# Altium PCB mantarray_beta_drv425_Mounting_Holes.PcbDoc (part 2 of 5) (continued)
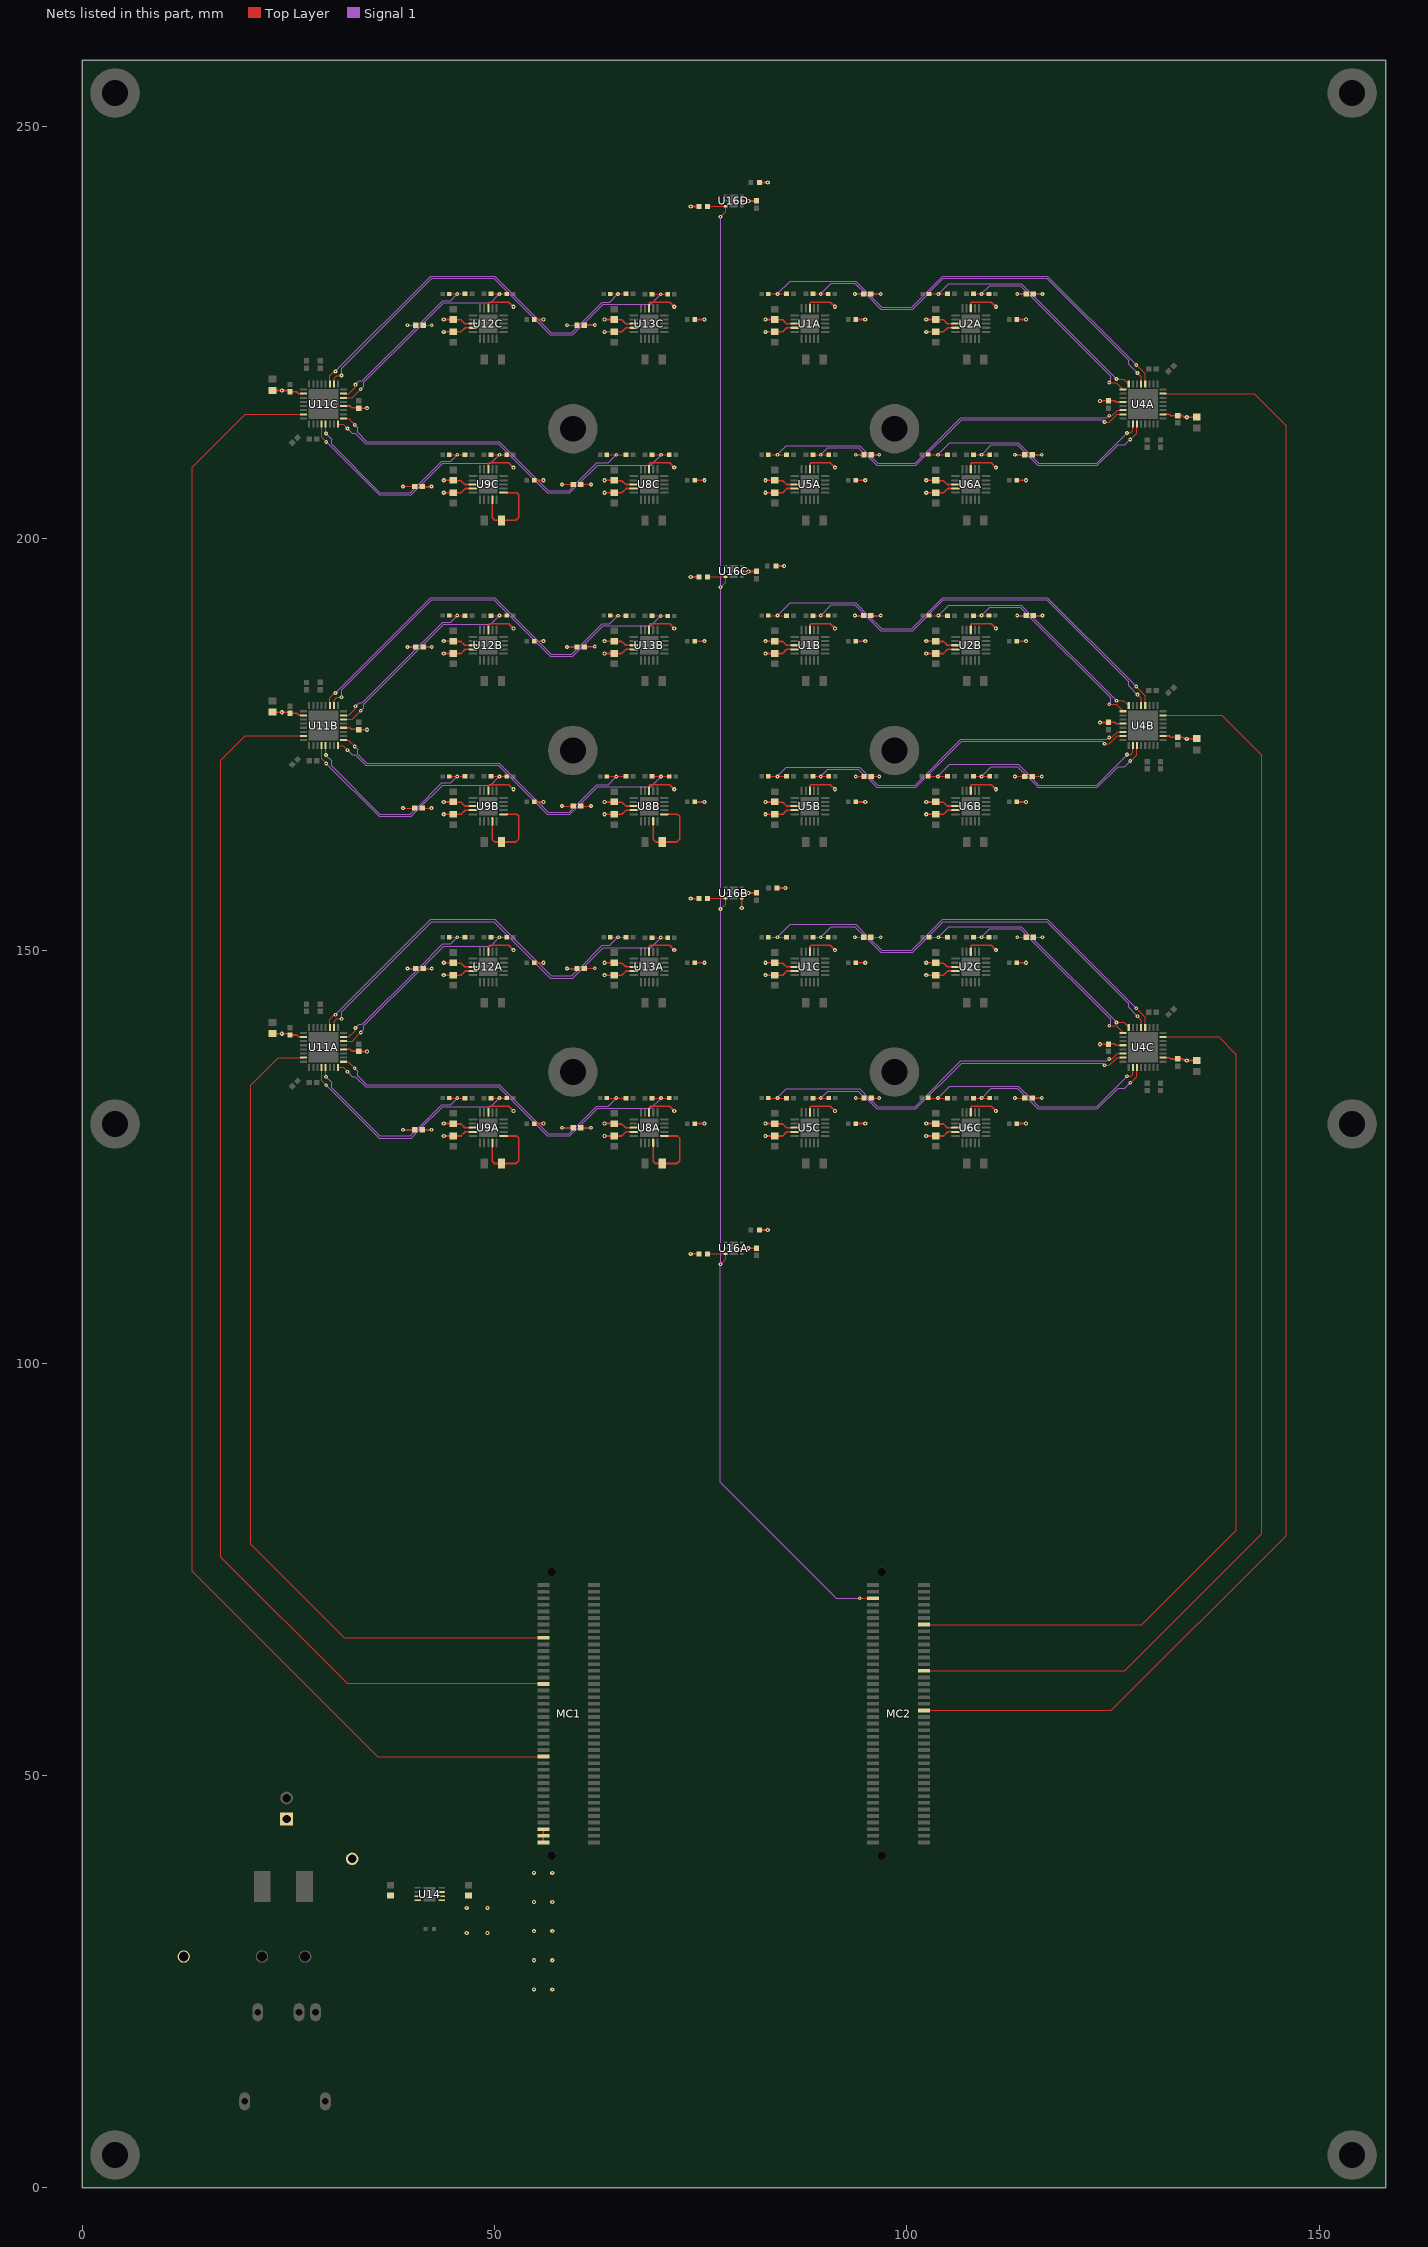
[diagram p8: the nets of this part, all layers, seen from the top]
## Nets (pads, with @x,y where several pads share a name; then routed paths per layer and width w, separated by ;. In a path a pad name is that pad's centre, name@x,y a point inside that pad or via, vN(x,y) a via of type N, cw(c..) or ccw(c..) an arc to the next point about the centre after c; other vN are vias at no path point) (continued)
A2RA_N: C1A.2 C3A.2 R1A.2 U4A.5 | length 52.6
  Top Layer w0.127: R1A.2@88.6,229.65 C1A.2@90.485,229.65 ; v2(93.7,229.65) C3A.2@94.765,229.65 ; v2(127.962,220.063) 127.962,220.04 128.4,219.602 U4A.5@128.4,218.735
  Signal 1 w0.127: v2(89.55,229.65) 90.846,230.946 93.695,230.946 94.995,229.645 ; v2(93.7,229.65) 93.705,229.645 94.995,229.645 ; v2(127.962,220.063) 126.883,221.142 126.883,221.608 116.945,231.546 104.446,231.546 100.696,227.796 96.845,227.796 94.995,229.645
A2RA_P: C3A.1 C5A.2 R3A.2 U4A.4 | length 59.3
  Top Layer w0.127: C5A.2@83.2,229.65 v2(84.312,229.65) R3A.2@85.425,229.65 ; C3A.1@95.645,229.65 v2(96.85,229.65) ; v2(127.805,221.045) 128.905,219.945 U4A.4@128.905,218.73
  Signal 1 w0.127: v2(84.312,229.65) 85.862,231.2 93.8,231.2 95.348,229.652 ; v2(96.85,229.65) 96.946,229.65 96.948,229.652 96.85,229.652 95.348,229.652 ; v2(127.805,221.045) 127.125,221.725 117.05,231.8 104.341,231.8 100.591,228.05 96.95,228.05 95.348,229.652
A2RB_N: C1B.2 C3B.2 R1B.2 U4B.5 | length 52.6
  Top Layer w0.127: R1B.2@88.6,190.65 C1B.2@90.485,190.65 ; v2(93.7,190.65) C3B.2@94.765,190.65 ; v2(127.962,181.063) 127.962,181.04 128.4,180.602 U4B.5@128.4,179.735
  Signal 1 w0.127: v2(89.55,190.65) 90.846,191.946 93.695,191.946 94.995,190.645 ; v2(93.7,190.65) 93.705,190.645 94.995,190.645 ; v2(127.962,181.063) 126.883,182.142 126.883,182.608 116.945,192.546 104.446,192.546 100.696,188.796 96.845,188.796 94.995,190.645
A2RB_P: C3B.1 C5B.2 R3B.2 U4B.4 | length 59.3
  Top Layer w0.127: C5B.2@83.2,190.65 v2(84.312,190.65) R3B.2@85.425,190.65 ; C3B.1@95.645,190.65 v2(96.85,190.65) ; v2(127.805,182.045) 128.905,180.945 U4B.4@128.905,179.73
  Signal 1 w0.127: v2(84.312,190.65) 85.862,192.2 93.8,192.2 95.348,190.652 ; v2(96.85,190.65) 96.946,190.65 96.948,190.652 96.85,190.652 95.348,190.652 ; v2(127.805,182.045) 127.125,182.725 117.05,192.8 104.341,192.8 100.591,189.05 96.95,189.05 95.348,190.652
A2RC_N: C1C.2 C3C.2 R1C.2 U4C.5 | length 52.6
  Top Layer w0.127: R1C.2@88.6,151.65 C1C.2@90.485,151.65 ; v2(93.7,151.65) C3C.2@94.765,151.65 ; v2@127.962,142.04 128.4,141.602 U4C.5@128.4,140.735
  Signal 1 w0.127: v2(89.55,151.65) 90.846,152.946 93.695,152.946 94.995,151.645 ; v2(93.7,151.65) 93.705,151.645 94.995,151.645 ; v2(127.962,142.063) 126.883,143.142 126.883,143.608 116.945,153.546 104.446,153.546 100.696,149.796 96.845,149.796 94.995,151.645
A2RC_P: C3C.1 C5C.2 R3C.2 U4C.4 | length 59.3
  Top Layer w0.127: C5C.2@83.2,151.65 v2(84.312,151.65) R3C.2@85.425,151.65 ; C3C.1@95.645,151.65 v2(96.85,151.65) ; v2(127.805,143.045) 128.905,141.945 U4C.4@128.905,140.73
  Signal 1 w0.127: v2(84.312,151.65) 85.862,153.2 93.8,153.2 95.348,151.652 ; v2(96.85,151.65) 96.946,151.65 96.948,151.652 96.85,151.652 95.348,151.652 ; v2(127.805,143.045) 127.125,143.725 117.05,153.8 104.341,153.8 100.591,150.05 96.95,150.05 95.348,151.652
A3LA_N: C62A.2 C64A.2 R36A.1 U11A.18 | length 55.3
  Top Layer w0.127: U11A.18@30.537,140.725 30.543,140.732 30.543,141.4 30.897,141.753 v2(31.459,141.753) ; C64A.2@60.89,147.85 60.925,147.885 v2(62.157,147.885) ; R36A.1@69.1,151.6 v2(70.15,151.6) C62A.2@71,151.6
  Signal 1 w0.127: v2(31.459,141.753) 31.459,142.631 42.378,153.55 49.941,153.55 56.791,146.7 59.5,146.7 60.7,147.9 ; v2(62.157,147.885) 62.142,147.9 60.7,147.9 ; v2(70.15,151.6) 68.95,150.4 63.2,150.4 60.7,147.9
A3LA_P: C64A.1 C68A.2 R38A.1 U11A.19 | length 50.3
  Top Layer w0.127: U11A.19@30.037,140.725 30.037,141.7 30.592,142.255 v2(30.724,142.255) ; v2(58.8,147.85) C64A.1@60.01,147.85 ; C68A.2@64.025,151.65 R38A.1@65.925,151.65
  Signal 1 w0.127: v2(30.724,142.255) 42.273,153.804 50.046,153.804 56.896,146.954 59.395,146.954 60.295,147.855 ; v2(58.8,147.85) 58.805,147.855 60.295,147.855 ; v2(64.975,151.64) 63.989,150.654 63.095,150.654 60.295,147.855
A3LB_N: C62B.2 C64B.2 R36B.1 U11B.18 | length 55.3
  Top Layer w0.127: U11B.18@30.537,179.725 30.543,179.732 30.543,180.4 30.897,180.753 v2(31.459,180.753) ; C64B.2@60.89,186.85 60.925,186.885 v2(62.157,186.885) ; R36B.1@69.1,190.6 v2(70.15,190.6) C62B.2@71,190.6
  Signal 1 w0.127: v2(31.459,180.753) 31.459,181.631 42.378,192.55 49.941,192.55 56.791,185.7 59.5,185.7 60.7,186.9 ; v2(62.157,186.885) 62.142,186.9 60.7,186.9 ; v2(70.15,190.6) 68.95,189.4 63.2,189.4 60.7,186.9
A3LB_P: C64B.1 C68B.2 R38B.1 U11B.19 | length 50.3
  Top Layer w0.127: U11B.19@30.037,179.725 30.037,180.7 30.592,181.255 v2(30.724,181.255) ; v2(58.8,186.85) C64B.1@60.01,186.85 ; C68B.2@64.025,190.65 R38B.1@65.925,190.65
  Signal 1 w0.127: v2(30.724,181.255) 42.273,192.804 50.046,192.804 56.896,185.954 59.395,185.954 60.295,186.855 ; v2(58.8,186.85) 58.805,186.855 60.295,186.855 ; v2(64.975,190.64) 63.989,189.654 63.095,189.654 60.295,186.855
A3LC_N: C62C.2 C64C.2 R36C.1 U11C.18 | length 55.3
  Top Layer w0.127: U11C.18@30.537,218.725 30.543,218.732 30.543,219.4 30.897,219.753 v2(31.459,219.753) ; C64C.2@60.89,225.85 60.925,225.885 v2(62.157,225.885) ; R36C.1@69.1,229.6 v2(70.15,229.6) C62C.2@71,229.6
  Signal 1 w0.127: v2(31.459,219.753) 31.459,220.631 42.378,231.55 49.941,231.55 56.791,224.7 59.5,224.7 60.7,225.9 ; v2(62.157,225.885) 62.142,225.9 60.7,225.9 ; v2(70.15,229.6) 68.95,228.4 63.2,228.4 60.7,225.9
A3LC_P: C64C.1 C68C.2 R38C.1 U11C.19 | length 50.3
  Top Layer w0.127: U11C.19@30.037,218.725 30.037,219.7 30.592,220.255 v2(30.724,220.255) ; v2(58.8,225.85) C64C.1@60.01,225.85 ; C68C.2@64.025,229.65 R38C.1@65.925,229.65
  Signal 1 w0.127: v2(30.724,220.255) 42.273,231.804 50.046,231.804 56.896,224.954 59.395,224.954 60.295,225.855 ; v2(58.8,225.85) 58.805,225.855 60.295,225.855 ; v2(64.975,229.64) 63.989,228.654 63.095,228.654 60.295,225.855
A3RA_N: C24A.2 C28A.2 R14A.1 U4A.19 | length 27.8
  Top Layer w0.127: R14A.1@108.1,210.15 v2(109.07,210.15) C24A.2@110.04,210.15 ; v2(113.1,210.15) C28A.2@114.31,210.15 ; v2(127.1,212) 127.15,212 127.905,212.755 127.905,213.87 U4A.19@127.91,213.875
  Signal 1 w0.127: v2(109.07,210.15) 110.266,211.346 113.404,211.346 114.6,210.15 ; v2(113.1,210.15) 114.6,210.15 ; v2(127.1,212) 126.446,211.346 125.605,211.346 123.105,208.846 115.904,208.846 115.755,208.995 114.6,210.15
A3RA_P: C28A.1 C30A.2 R16A.1 U4A.18 | length 32.6
  Top Layer w0.127: C30A.2@102.61,210.15 v2(103.767,210.15) R16A.1@104.925,210.15 ; C28A.1@115.19,210.15 v2(116.35,210.15) ; v2(126.7,212.8) 127.15,212.8 127.41,213.06 U4A.18@127.41,213.875
  Signal 1 w0.127: v2(103.767,210.15) 105.217,211.6 113.509,211.6 114.955,210.155 ; v2(116.35,210.15) 116.345,210.155 114.955,210.155 ; v2(126.7,212.8) 123,209.1 116.009,209.1 114.955,210.155
A3RB_N: C24B.2 C28B.2 R14B.1 U4B.19 | length 27.8
  Top Layer w0.127: R14B.1@108.1,171.15 v2(109.07,171.15) C24B.2@110.04,171.15 ; v2(113.1,171.15) C28B.2@114.31,171.15 ; v2(127.1,173) 127.15,173 127.905,173.755 127.905,174.87 U4B.19@127.91,174.875
  Signal 1 w0.127: v2(109.07,171.15) 110.266,172.346 113.404,172.346 114.6,171.15 ; v2(113.1,171.15) 114.6,171.15 ; v2(127.1,173) 126.446,172.346 125.605,172.346 123.105,169.846 115.904,169.846 115.755,169.995 114.6,171.15
A3RB_P: C28B.1 C30B.2 R16B.1 U4B.18 | length 32.6
  Top Layer w0.127: C30B.2@102.61,171.15 v2(103.767,171.15) R16B.1@104.925,171.15 ; C28B.1@115.19,171.15 v2(116.35,171.15) ; v2(126.7,173.8) 127.15,173.8 127.41,174.06 U4B.18@127.41,174.875
  Signal 1 w0.127: v2(103.767,171.15) 105.217,172.6 113.509,172.6 114.955,171.155 ; v2(116.35,171.15) 116.345,171.155 114.955,171.155 ; v2(126.7,173.8) 123,170.1 116.009,170.1 114.955,171.155
A3RC_N: C24C.2 C28C.2 R14C.1 U4C.19 | length 27.8
  Top Layer w0.127: R14C.1@108.1,132.15 v2(109.07,132.15) C24C.2@110.04,132.15 ; v2(113.1,132.15) C28C.2@114.31,132.15 ; v2(127.1,134) 127.15,134 127.905,134.755 127.905,135.87 U4C.19@127.91,135.875
  Signal 1 w0.127: v2(109.07,132.15) 110.266,133.346 113.404,133.346 114.6,132.15 ; v2(113.1,132.15) 114.6,132.15 ; v2(127.1,134) 126.446,133.346 125.605,133.346 123.105,130.846 115.904,130.846 115.755,130.995 114.6,132.15
A3RC_P: C28C.1 C30C.2 R16C.1 U4C.18 | length 32.6
  Top Layer w0.127: C30C.2@102.61,132.15 v2(103.767,132.15) R16C.1@104.925,132.15 ; C28C.1@115.19,132.15 v2(116.35,132.15) ; v2(126.7,134.8) 127.15,134.8 127.41,135.06 U4C.18@127.41,135.875
  Signal 1 w0.127: v2(103.767,132.15) 105.217,133.6 113.509,133.6 114.955,132.155 ; v2(116.35,132.15) 116.345,132.155 114.955,132.155 ; v2(126.7,134.8) 123,131.1 116.009,131.1 114.955,132.155
A4LA_N: C61A.2 C63A.2 R35A.1 U11A.14 | length 28.6
  Top Layer w0.127: U11A.14@31.712,139.05 32.75,139.05 v2(33.8,140.1) ; C63A.2@41.34,147.85 v2(42.4,147.85) ; R35A.1@49.6,151.65 v2(50.6,151.65) C61A.2@51.5,151.65
  Signal 1 w0.127: v2(33.8,140.1) 34.176,140.476 34.176,140.926 41.1,147.85 ; v2(42.4,147.85) 41.1,147.85 ; v2(50.6,151.65) 49.525,150.575 43.825,150.575 41.1,147.85
A4LA_P: C63A.1 C67A.2 R37A.1 U11A.15 | length 23.2
  Top Layer w0.127: U11A.15@31.715,139.55 32.35,139.55 33.131,140.331 33.131,140.631 v2(33.15,140.65) ; v2(39.45,147.85) C63A.1@40.46,147.85 ; C67A.2@44.525,151.65 v2(45.5,151.65) R37A.1@46.425,151.65
  Signal 1 w0.127: v2(33.15,140.65) 33.6,141.1 33.991,141.1 40.745,147.855 ; v2(39.45,147.85) 39.455,147.855 40.745,147.855 ; v2(45.5,151.65) 44.7,150.85 43.741,150.85 40.745,147.855
A4LB_N: C61B.2 C63B.2 R35B.1 U11B.14 | length 28.6
  Top Layer w0.127: U11B.14@31.712,178.05 32.75,178.05 v2(33.8,179.1) ; C63B.2@41.34,186.85 v2(42.4,186.85) ; R35B.1@49.6,190.65 v2(50.6,190.65) C61B.2@51.5,190.65
  Signal 1 w0.127: v2(33.8,179.1) 34.176,179.476 34.176,179.926 41.1,186.85 ; v2(42.4,186.85) 41.1,186.85 ; v2(50.6,190.65) 49.525,189.575 43.825,189.575 41.1,186.85
A4LB_P: C63B.1 C67B.2 R37B.1 U11B.15 | length 23.2
  Top Layer w0.127: U11B.15@31.715,178.55 32.35,178.55 33.131,179.331 33.131,179.631 v2(33.15,179.65) ; v2(39.45,186.85) C63B.1@40.46,186.85 ; C67B.2@44.525,190.65 v2(45.5,190.65) R37B.1@46.425,190.65
  Signal 1 w0.127: v2(33.15,179.65) 33.6,180.1 33.991,180.1 40.745,186.855 ; v2(39.45,186.85) 39.455,186.855 40.745,186.855 ; v2(45.5,190.65) 44.7,189.85 43.741,189.85 40.745,186.855
A4LC_N: C61C.2 C63C.2 R35C.1 U11C.14 | length 28.6
  Top Layer w0.127: U11C.14@31.712,217.05 32.75,217.05 v2(33.8,218.1) ; C63C.2@41.34,225.85 v2(42.4,225.85) ; R35C.1@49.6,229.65 v2(50.6,229.65) C61C.2@51.5,229.65
  Signal 1 w0.127: v2(33.8,218.1) 34.176,218.476 34.176,218.926 41.1,225.85 ; v2(42.4,225.85) 41.1,225.85 ; v2(50.6,229.65) 49.525,228.575 43.825,228.575 41.1,225.85
A4LC_P: C63C.1 C67C.2 R37C.1 U11C.15 | length 23.2
  Top Layer w0.127: U11C.15@31.715,217.55 32.35,217.55 33.131,218.331 33.131,218.631 v2(33.15,218.65) ; v2(39.45,225.85) C63C.1@40.46,225.85 ; C67C.2@44.525,229.65 v2(45.5,229.65) R37C.1@46.425,229.65
  Signal 1 w0.127: v2(33.15,218.65) 33.6,219.1 33.991,219.1 40.745,225.855 ; v2(39.45,225.85) 39.455,225.855 40.745,225.855 ; v2(45.5,229.65) 44.7,228.85 43.741,228.85 40.745,225.855
A4RA_N: C23A.2 C27A.2 R13A.2 U4A.15 | length 44.9
  Top Layer w0.127: R13A.2@88.6,210.15 v2(89.567,210.15) C23A.2@90.535,210.15 ; v2(93.8,210.15) C27A.2@94.81,210.15 ; v2(123.984,214.114) 124.564,214.114 125.5,215.05 U4A.15@126.235,215.05
  Signal 1 w0.127: v2(89.567,210.15) 90.417,211 94.1,211 94.95,210.15 ; v2(93.8,210.15) 94.95,210.15 ; v2(123.984,214.114) 123.984,214.19 123.778,214.396 106.646,214.396 101.096,208.846 96.354,208.846 95.05,210.15 94.95,210.15
A4RA_P: C27A.1 C29A.2 R15A.2 U4A.14 | length 50.4
  Top Layer w0.127: C29A.2@83.2,210.15 v2(84.312,210.15) R15A.2@85.425,210.15 ; C27A.1@95.69,210.15 v2(96.65,210.15) ; v2(124.542,214.876) 124.876,214.876 125.55,215.55 U4A.14@126.235,215.55
  Signal 1 w0.127: v2(84.312,210.15) 84.312,210.175 85.392,211.254 94.305,211.254 95.409,210.15 ; v2(96.65,210.15) 95.409,210.15 ; v2(124.542,214.876) 124.453,214.876 124.227,214.65 106.541,214.65 100.991,209.1 96.459,209.1 95.409,210.15
A4RB_N: C23B.2 C27B.2 R13B.2 U4B.15 | length 44.9
  Top Layer w0.127: R13B.2@88.6,171.15 v2(89.567,171.15) C23B.2@90.535,171.15 ; v2(93.8,171.15) C27B.2@94.81,171.15 ; v2(123.984,175.114) 124.564,175.114 125.5,176.05 U4B.15@126.235,176.05
  Signal 1 w0.127: v2(89.567,171.15) 90.417,172 94.1,172 94.95,171.15 ; v2(93.8,171.15) 94.95,171.15 ; v2(123.984,175.114) 123.984,175.19 123.778,175.396 106.646,175.396 101.096,169.846 96.354,169.846 95.05,171.15 94.95,171.15
A4RB_P: C27B.1 C29B.2 R15B.2 U4B.14 | length 50.4
  Top Layer w0.127: C29B.2@83.2,171.15 v2(84.312,171.15) R15B.2@85.425,171.15 ; C27B.1@95.69,171.15 v2(96.65,171.15) ; v2(124.542,175.876) 124.876,175.876 125.55,176.55 U4B.14@126.235,176.55
  Signal 1 w0.127: v2(84.312,171.15) 84.312,171.175 85.392,172.254 94.305,172.254 95.409,171.15 ; v2(96.65,171.15) 95.409,171.15 ; v2(124.542,175.876) 124.453,175.876 124.227,175.65 106.541,175.65 100.991,170.1 96.459,170.1 95.409,171.15
A4RC_N: C23C.2 C27C.2 R13C.2 U4C.15 | length 44.9
  Top Layer w0.127: R13C.2@88.6,132.15 v2(89.567,132.15) C23C.2@90.535,132.15 ; v2(93.8,132.15) C27C.2@94.81,132.15 ; v2(123.984,136.114) 124.564,136.114 125.5,137.05 U4C.15@126.235,137.05
  Signal 1 w0.127: v2(89.567,132.15) 90.417,133 94.1,133 94.95,132.15 ; v2(93.8,132.15) 94.95,132.15 ; v2(123.984,136.114) 123.984,136.19 123.778,136.396 106.646,136.396 101.096,130.846 96.354,130.846 95.05,132.15 94.95,132.15
A4RC_P: C27C.1 C29C.2 R15C.2 U4C.14 | length 50.4
  Top Layer w0.127: C29C.2@83.2,132.15 v2(84.312,132.15) R15C.2@85.425,132.15 ; C27C.1@95.69,132.15 v2(96.65,132.15) ; v2(124.542,136.876) 124.876,136.876 125.55,137.55 U4C.14@126.235,137.55
  Signal 1 w0.127: v2(84.312,132.15) 84.312,132.175 85.392,133.254 94.305,133.254 95.409,132.15 ; v2(96.65,132.15) 95.409,132.15 ; v2(124.542,136.876) 124.453,136.876 124.227,136.65 106.541,136.65 100.991,131.1 96.459,131.1 95.409,132.15
ALERT_T: MC2.75 R46A.1 R46B.1 R46C.1 R46D.1 U16A.3 U16B.3 U16C.3 U16D.3 | length 193.1
  Top Layer w0.127: R46A.1@75.75,113.275 U16A.3@78.025,113.275 78.025,112.6 77.425,112 v2(77.4,112) ; R46B.1@75.75,156.35 U16B.3@78.025,156.35 78.025,155.675 77.425,155.075 v2(77.4,155.075) ; R46C.1@75.75,195.35 U16C.3@78.025,195.35 78.025,194.675 77.425,194.075 v2(77.4,194.075) ; R46D.1@75.75,240.275 U16D.3@78.025,240.275 78.025,239.6 77.425,239 v2(77.4,239) ; v2(94.3,71.5) 95.895,71.5 95.908,71.487 MC2.75@95.918,71.496
  Signal 1 w0.127: v2(77.4,239) v2(77.4,194.075) v2(77.4,155.075) v2(77.4,112) 77.4,85.54 91.44,71.5 v2(94.3,71.5)
AVDD: C7A.2 C7B.2 C7C.2 C8A.2 C8B.2 C8C.2 C9A.2 C9B.2 C9C.2 C10A.2 C10B.2 C10C.2 C18A.2 C18B.2 C18C.2 C19A.2 C19B.2 C19C.2 C21A.2 C21B.2 C21C.2 C22A.2 C22B.2 C22C.2 C25A.2 C25B.2 C25C.2 C31A.2 C31B.2 C31C.2 C32A.2 C32B.2 C32C.2 C45A.2 C45B.2 C45C.2 C46A.2 C46B.2 C46C.2 C47A.2 C47B.2 C47C.2 C48A.2 C48B.2 C48C.2 C56A.2 C56B.2 C56C.2 C57A.2 C57B.2 C57C.2 C59A.2 C59B.2 C59C.2 C60A.2 C60B.2 C60C.2 C65A.2 C65B.2 C65C.2 C69A.2 C69B.2 C69C.2 C70A.2 C70B.2 C70C.2 C72.2 C77A.2 C77B.2 C77C.2 C77D.2 R7A.1 R7B.1 R7C.1 R8A.1 R8B.1 R8C.1 R19A.1 R19B.1 R19C.1 R20A.1 R20B.1 R20C.1 R29A.1 R29B.1 R29C.1 R30A.1 R30B.1 R30C.1 R41A.1 R41B.1 R41C.1 R42A.1 R42B.1 R42C.1 R46A.2 R46B.2 R46C.2 R46D.2 R47A.1 R47B.1 R47C.1 R47D.1 TP2.1 U1A.3 U1A.8 U1A.9 U1B.3 U1B.8 U1B.9 U1C.3 U1C.8 U1C.9 U2A.3 U2A.8 U2A.9 U2B.3 U2B.8 U2B.9 U2C.3 U2C.8 U2C.9 U4A.12 U4A.26 U4B.12 U4B.26 U4C.12 U4C.26 U5A.3 U5A.8 U5A.9 U5B.3 U5B.8 U5B.9 U5C.3 U5C.8 U5C.9 U6A.3 U6A.8 U6A.9 U6B.3 U6B.8 U6B.9 U6C.3 U6C.8 U6C.9 U8A.3 U8A.8 U8A.9 U8B.3 U8B.8 U8B.9 U8C.3 U8C.8 U8C.9 U9A.3 U9A.8 U9A.9 U9B.3 U9B.8 U9B.9 U9C.3 U9C.8 U9C.9 U11A.12 U11A.26 U11B.12 U11B.26 U11C.12 U11C.26 U12A.3 U12A.8 U12A.9 U12B.3 U12B.8 U12B.9 U12C.3 U12C.8 U12C.9 U13A.3 U13A.8 U13A.9 U13B.3 U13B.8 U13B.9 U13C.3 U13C.8 U13C.9 U14.5 U14.6 U14.7 U16A.5 U16B.4 U16B.5 U16C.5 U16D.5 | length 345.1
  Top Layer w0.152: U9A.3@49.25,130.4 49.25,131 49.4,131.15 51.733,131.15 v1(52.297,130.586) ; U12A.3@49.25,149.9 49.25,150.5 49.4,150.65 51.733,150.65 v1(52.297,150.086) ; U9B.3@49.25,169.4 49.25,170 49.4,170.15 51.733,170.15 v1(52.297,169.586) ; U12B.3@49.25,188.9 49.25,189.5 49.4,189.65 51.733,189.65 v1(52.297,189.086) ; U9C.3@49.25,208.4 49.25,209 49.4,209.15 51.733,209.15 v1(52.297,208.586) ; U12C.3@49.25,227.9 49.25,228.5 49.4,228.65 51.733,228.65 v1(52.297,228.086) ; U8A.3@68.75,130.4 68.75,131 68.9,131.15 71.233,131.15 v1(71.797,130.586) ; U13A.3@68.75,149.9 68.75,150.5 68.9,150.65 71.233,150.65 v1(71.797,150.086) ; U8B.3@68.75,169.4 68.75,170 68.9,170.15 71.233,170.15 v1(71.797,169.586) ; U13B.3@68.75,188.9 68.75,189.5 68.9,189.65 71.233,189.65 v1(71.797,189.086) ; U8C.3@68.75,208.4 68.75,209 68.9,209.15 71.233,209.15 v1(71.797,208.586) ; U13C.3@68.75,227.9 68.75,228.5 68.9,228.65 71.233,228.65 v1(71.797,228.086) ; v1(79.974,155.195) 79.975,155.196 U16B.4@79.975,156.35 ; U5C.3@88.25,130.4 88.25,131 88.4,131.15 90.733,131.15 v1(91.297,130.586) ; U1C.3@88.25,149.9 88.25,150.5 88.4,150.65 90.733,150.65 v1(91.297,150.086) ; U5B.3@88.25,169.4 88.25,170 88.4,170.15 90.733,170.15 v1(91.297,169.586) ; U1B.3@88.25,188.9 88.25,189.5 88.4,189.65 90.733,189.65 v1(91.297,189.086) ; U5A.3@88.25,208.4 88.25,209 88.4,209.15 90.733,209.15 v1(91.297,208.586) ; U1A.3@88.25,227.9 88.25,228.5 88.4,228.65 90.733,228.65 v1(91.297,228.086) ; U6C.3@107.75,130.4 107.75,131 107.9,131.15 110.233,131.15 v1(110.797,130.586) ; U2C.3@107.75,149.9 107.75,150.5 107.9,150.65 110.233,150.65 v1(110.797,150.086) ; U6B.3@107.75,169.4 107.75,170 107.9,170.15 110.233,170.15 v1(110.797,169.586) ; U2B.3@107.75,188.9 107.75,189.5 107.9,189.65 110.233,189.65 v1(110.797,189.086) ; U6A.3@107.75,208.4 107.75,209 107.9,209.15 110.233,209.15 v1(110.797,208.586) ; U2A.3@107.75,227.9 107.75,228.5 107.9,228.65 110.233,228.65 v1(110.797,228.086)
  Top Layer w0.203: C70A.2@23.069,139.961 23.094,139.936 v1(24.219,139.936) 25.082,139.936 C65A.2@25.228,139.789 26.011,139.789 26.25,139.55 U11A.26@26.862,139.55 ; C70B.2@23.069,178.961 23.094,178.936 v1(24.219,178.936) 25.082,178.936 C65B.2@25.228,178.789 26.011,178.789 26.25,178.55 U11B.26@26.862,178.55 ; C70C.2@23.069,217.961 23.094,217.936 v1(24.219,217.936) 25.082,217.936 C65C.2@25.228,217.789 26.011,217.789 26.25,217.55 U11C.26@26.862,217.55 ; U11A.12@31.712,138.05 32.481,138.05 32.681,137.85 C69A.2@33.55,137.85 ; U11B.12@31.712,177.05 32.481,177.05 32.681,176.85 C69B.2@33.55,176.85 ; U11C.12@31.712,216.05 32.481,216.05 32.681,215.85 C69C.2@33.55,215.85 ; C69A.2@33.55,137.81 33.56,137.8 v1(34.55,137.8) ; C69B.2@33.55,176.81 33.56,176.8 v1(34.55,176.8) ; C69C.2@33.55,215.81 33.56,215.8 v1(34.55,215.8) ; v1(43.85,127.55) 45.95,127.55 46.45,128.05 U9A.9@46.99,128.05 ; v1(43.85,129.05) C56A.2@45,129.05 ; v1(43.85,147.05) 45.95,147.05 46.45,147.55 U12A.9@46.99,147.55 ; v1(43.85,148.55) C47A.2@45,148.55 45.05,148.5 45.95,148.5 46.4,148.05 U12A.8@47.175,148.05 ; v1(43.85,166.55) 45.95,166.55 46.45,167.05 U9B.9@46.99,167.05 ; v1(43.85,168.05) C56B.2@45,168.05 ; v1(43.85,186.05) 45.95,186.05 46.45,186.55 U12B.9@46.99,186.55 ; v1(43.85,187.55) C47B.2@45,187.55 45.05,187.5 45.95,187.5 46.4,187.05 U12B.8@47.175,187.05 ; v1(43.85,205.55) 45.95,205.55 46.45,206.05 U9C.9@46.99,206.05 ; v1(43.85,207.05) C56C.2@45,207.05 ; v1(43.85,225.05) 45.95,225.05 46.45,225.55 U12C.9@46.99,225.55 ; v1(43.85,226.55) C47C.2@45,226.55 45.05,226.5 45.95,226.5 46.4,226.05 U12C.8@47.175,226.05 ; C56A.2@45.05,129 45.95,129 46.4,128.55 U9A.8@47.175,128.55 ; C56B.2@45.05,168 45.95,168 46.4,167.55 U9B.8@47.175,167.55 ; C56C.2@45.05,207 45.95,207 46.4,206.55 U9C.8@47.175,206.55 ; R30A.1@54.8,129.05 v1(55.95,129.05) ; R41A.1@54.8,148.55 v1(55.95,148.55) ; R30B.1@54.8,168.05 v1(55.95,168.05) ; R41B.1@54.8,187.55 v1(55.95,187.55) ; R30C.1@54.8,207.05 v1(55.95,207.05) ; R41C.1@54.8,226.55 v1(55.95,226.55) ; v1(63.35,127.55) 65.45,127.55 65.95,128.05 U8A.9@66.49,128.05 ; v1(63.35,129.05) C59A.2@64.5,129.05 64.55,129 65.45,129 65.9,128.55 U8A.8@66.675,128.55 ; v1(63.35,147.05) 65.45,147.05 65.95,147.55 U13A.9@66.49,147.55 ; v1(63.35,148.55) C45A.2@64.5,148.55 ; v1(63.35,166.55) 65.45,166.55 65.95,167.05 U8B.9@66.49,167.05 ; v1(63.35,168.05) C59B.2@64.5,168.05 64.55,168 65.45,168 65.9,167.55 U8B.8@66.675,167.55 ; v1(63.35,186.05) 65.45,186.05 65.95,186.55 U13B.9@66.49,186.55 ; v1(63.35,187.55) C45B.2@64.5,187.55 ; v1(63.35,205.55) 65.45,205.55 65.95,206.05 U8C.9@66.49,206.05 ; v1(63.35,207.05) C59C.2@64.5,207.05 64.55,207 65.45,207 65.9,206.55 U8C.8@66.675,206.55 ; v1(63.35,225.05) 65.45,225.05 65.95,225.55 U13C.9@66.49,225.55 ; v1(63.35,226.55) C45C.2@64.5,226.55 ; C45A.2@64.55,148.5 65.45,148.5 65.9,148.05 U13A.8@66.616,148.05 ; C45B.2@64.55,187.5 65.45,187.5 65.9,187.05 U13B.8@66.616,187.05 ; C45C.2@64.55,226.5 65.45,226.5 65.9,226.05 U13C.8@66.616,226.05 ; v1(73.791,113.249) 73.792,113.25 R46A.2@74.795,113.25 ; v1(73.791,240.249) 73.792,240.25 R46D.2@74.795,240.25 ; v1@73.792,156.325 R46B.2@74.795,156.325 ; v1@73.792,195.325 R46C.2@74.795,195.325 ; R29A.1@74.3,129.05 v1(75.45,129.05) ; R42A.1@74.3,148.55 v1(75.45,148.55) ; R29B.1@74.3,168.05 v1(75.45,168.05) ; R42B.1@74.3,187.55 v1(75.45,187.55) ; R29C.1@74.3,207.05 v1(75.45,207.05) ; R42C.1@74.3,226.55 v1(75.45,226.55) ; U16A.5@79.975,113.925 v1(80.8,113.925) 81.735,113.925 C77A.2@81.75,113.94 ; U16B.5@79.975,157 v1(80.8,157) 81.735,157 C77B.2@81.75,157.015 ; U16C.5@79.975,196 v1(80.8,196) 81.735,196 C77C.2@81.75,196.015 ; U16D.5@79.975,240.925 v1(80.8,240.925) 81.735,240.925 C77D.2@81.75,240.94 ; R47A.1@82.125,116.15 v1@83.12,116.15 ; R47D.1@82.125,243.15 v1@83.12,243.15 ; v1(82.85,127.55) 84.95,127.55 85.45,128.05 U5C.9@85.99,128.05 ; v1(82.85,129.05) C18C.2@84,129.05 84.05,129 84.95,129 85.4,128.55 U5C.8@86.175,128.55 ; v1(82.85,147.05) 84.95,147.05 85.45,147.55 U1C.9@85.99,147.55 ; v1(82.85,148.55) C9C.2@84,148.55 84.05,148.5 84.95,148.5 85.4,148.05 U1C.8@86.175,148.05 ; v1(82.85,166.55) 84.95,166.55 85.45,167.05 U5B.9@85.99,167.05 ; v1(82.85,168.05) C18B.2@84,168.05 84.05,168 84.95,168 85.4,167.55 U5B.8@86.175,167.55 ; v1(82.85,186.05) 84.95,186.05 85.45,186.55 U1B.9@85.99,186.55 ; v1(82.85,187.55) C9B.2@84,187.55 84.05,187.5 84.95,187.5 85.4,187.05 U1B.8@86.175,187.05 ; v1(82.85,205.55) 84.95,205.55 85.45,206.05 U5A.9@85.99,206.05 ; v1(82.85,207.05) C18A.2@84,207.05 84.05,207 84.95,207 85.4,206.55 U5A.8@86.175,206.55 ; v1(82.85,225.05) 84.95,225.05 85.45,225.55 U1A.9@85.99,225.55 ; v1(82.85,226.55) C9A.2@84,226.55 84.05,226.5 84.95,226.5 85.4,226.05 U1A.8@86.175,226.05 ; v1@83.12,116.35 v1@83.125,116.355 ; R47C.1@84.125,196.65 v1@85.12,196.65 ; R47B.1@84.275,157.625 v1@85.27,157.625 ; R19C.1@93.8,129.05 v1(94.95,129.05) ; R7C.1@93.8,148.55 v1(94.95,148.55) ; R19B.1@93.8,168.05 v1(94.95,168.05) ; R7B.1@93.8,187.55 v1(94.95,187.55) ; R19A.1@93.8,207.05 v1(94.95,207.05) ; R7A.1@93.8,226.55 v1(94.95,226.55) ; v1(102.35,127.55) 104.45,127.55 104.95,128.05 U6C.9@105.49,128.05 ; v1(102.35,129.05) C21C.2@103.5,129.05 103.55,129 104.45,129 104.9,128.55 U6C.8@105.675,128.55 ; v1(102.35,147.05) C7C.2@103.5,147.05 104.45,147.05 104.95,147.55 U2C.9@105.49,147.55 ; v1(102.35,148.55) C8C.2@103.5,148.55 103.55,148.5 104.45,148.5 104.9,148.05 U2C.8@105.675,148.05 ; v1(102.35,166.55) 104.45,166.55 104.95,167.05 U6B.9@105.49,167.05 ; v1(102.35,168.05) C21B.2@103.5,168.05 103.55,168 104.45,168 104.9,167.55 U6B.8@105.675,167.55 ; v1(102.35,186.05) C7B.2@103.5,186.05 104.45,186.05 104.95,186.55 U2B.9@105.49,186.55 ; v1(102.35,187.55) C8B.2@103.5,187.55 103.55,187.5 104.45,187.5 104.9,187.05 U2B.8@105.675,187.05 ; v1(102.35,205.55) 104.45,205.55 104.95,206.05 U6A.9@105.49,206.05 ; v1(102.35,207.05) C21A.2@103.5,207.05 103.55,207 104.45,207 104.9,206.55 U6A.8@105.675,206.55 ; v1(102.35,225.05) C7A.2@103.5,225.05 104.45,225.05 104.95,225.55 U2A.9@105.49,225.55 ; v1(102.35,226.55) C8A.2@103.5,226.55 103.55,226.5 104.45,226.5 104.9,226.05 U2A.8@105.675,226.05 ; R20C.1@113.3,129.05 v1(114.45,129.05) ; R8C.1@113.3,148.55 v1(114.45,148.55) ; R20B.1@113.3,168.05 v1(114.45,168.05) ; R8B.1@113.3,187.55 v1(114.45,187.55) ; R20A.1@113.3,207.05 v1(114.45,207.05) ; R8A.1@113.3,226.55 v1(114.45,226.55) ; v1(123.416,138.669) 123.435,138.688 C32C.2@124.433,138.688 124.459,138.715 125.204,138.715 125.369,138.55 U4C.12@126.235,138.55 ; v1(123.416,177.669) 123.435,177.688 C32B.2@124.433,177.688 124.459,177.715 125.204,177.715 125.369,177.55 U4B.12@126.235,177.55 ; v1(123.416,216.669) 123.435,216.688 C32A.2@124.433,216.688 124.459,216.715 125.204,216.715 125.369,216.55 U4A.12@126.235,216.55 ; U4C.26@131.085,137.05 131.85,137.05 132.01,136.89 C25C.2@132.85,136.89 132.86,136.9 133.4,136.9 133.542,136.758 133.892,136.758 v1(133.95,136.7) 135.125,136.7 C31C.2@135.15,136.725 ; U4B.26@131.085,176.05 131.85,176.05 132.01,175.89 C25B.2@132.85,175.89 132.86,175.9 133.4,175.9 133.542,175.758 133.892,175.758 v1(133.95,175.7) 135.125,175.7 C31B.2@135.15,175.725 ; U4A.26@131.085,215.05 131.85,215.05 132.01,214.89 C25A.2@132.85,214.89 132.86,214.9 133.4,214.9 133.542,214.758 133.892,214.758 v1(133.95,214.7) 135.125,214.7 C31A.2@135.15,214.725
  other v1: 46.65,30.9 49.15,30.9 46.65,33.95 49.15,33.95 83.125,116.15 73.791,156.324 85.275,157.625 73.791,195.324 85.125,196.65 83.125,243.15
CLK_0: MC2.42 U4A.31 | length 203.8
  Top Layer w0.127: MC2.42@102.088,57.896 124.801,57.896 146,79.095 146,213.693 142.143,217.55 U4A.31@131.085,217.55
CLK_1: MC2.54 U4B.31 | length 156.2
  Top Layer w0.127: MC2.54@102.088,62.696 126.401,62.696 143.05,79.345 143.05,173.7 138.2,178.55 U4B.31@131.085,178.55
CLK_2: MC2.68 U4C.31 | length 110
  Top Layer w0.127: MC2.68@102.088,68.296 128.501,68.296 139.95,79.745 139.95,137.393 137.793,139.55 U4C.31@131.085,139.55
CLK_3: MC1.27 U11C.31 | length 201.9
  Top Layer w0.127: U11C.31@26.862,215.05 19.793,215.05 13.35,208.607 13.35,74.764 35.818,52.296 MC1.27@55.918,52.296
CLK_4: MC1.49 U11B.31 | length 153.3
  Top Layer w0.127: U11B.31@26.862,176.05 19.793,176.05 16.834,173.091 16.834,172.1 16.834,76.466 32.14,61.16 55.854,61.16 MC1.49@55.918,61.096
CLK_5: MC1.63 U11A.31 | length 103.6
  Top Layer w0.127: U11A.31@26.862,137.05 23.8,137.05 20.45,133.7 20.45,78.05 31.804,66.696 MC1.63@55.918,66.696
CMP1L_1A: R28A.1 U9A.14 U9A.16 | length 9.6
  Top Layer w0.203: U9A.14@49.75,126.3 49.75,124.5 50.05,124.2 R28A.1@50.85,124.2 52.6,124.2 52.95,124.55 52.95,127.3 52.7,127.55 U9A.16@51.5,127.55
CMP1L_1B: R28B.1 U9B.14 U9B.16 | length 9.6
  Top Layer w0.203: U9B.14@49.75,165.3 49.75,163.5 50.05,163.2 R28B.1@50.85,163.2 52.6,163.2 52.95,163.55 52.95,166.3 52.7,166.55 U9B.16@51.5,166.55
CMP1L_1C: R28C.1 U9C.14 U9C.16 | length 9.6
  Top Layer w0.203: U9C.14@49.75,204.3 49.75,202.5 50.05,202.2 R28C.1@50.85,202.2 52.6,202.2 52.95,202.55 52.95,205.3 52.7,205.55 U9C.16@51.5,205.55
CMP1L_2A: R27A.1 U8A.14 U8A.16 | length 9.6
  Top Layer w0.203: U8A.14@69.25,126.3 69.25,124.5 69.55,124.2 R27A.1@70.35,124.2 72.1,124.2 72.45,124.55 72.45,127.3 72.2,127.55 U8A.16@71,127.55
CMP1L_2B: R27B.1 U8B.14 U8B.16 | length 9.6
  Top Layer w0.203: U8B.14@69.25,165.3 69.25,163.5 69.55,163.2 R27B.1@70.35,163.2 72.1,163.2 72.45,163.55 72.45,166.3 72.2,166.55 U8B.16@71,166.55